# Altium PCB PCB1.PcbDoc (part 1 of 4)
Units mil, origin at the board's own origin, x right, y up, seen from the top; angles counter-clockwise.
Board outline 7874.02 x 4566.93 mil, 9 copper layers (HIGH_SPEED_TOP, GND PLANE1, LOW_SPEED, POWER_PLANE1, POWER_PLANE2, SIGNAL, Mid-Layer 11, GND_PLANE3, HIGH_SPEED_BOT), stack 76.99 mil thick; 510 components, 416 nets, 2438 pads, 24 vias.
Unrouted connection lines stored in the file: 1542.
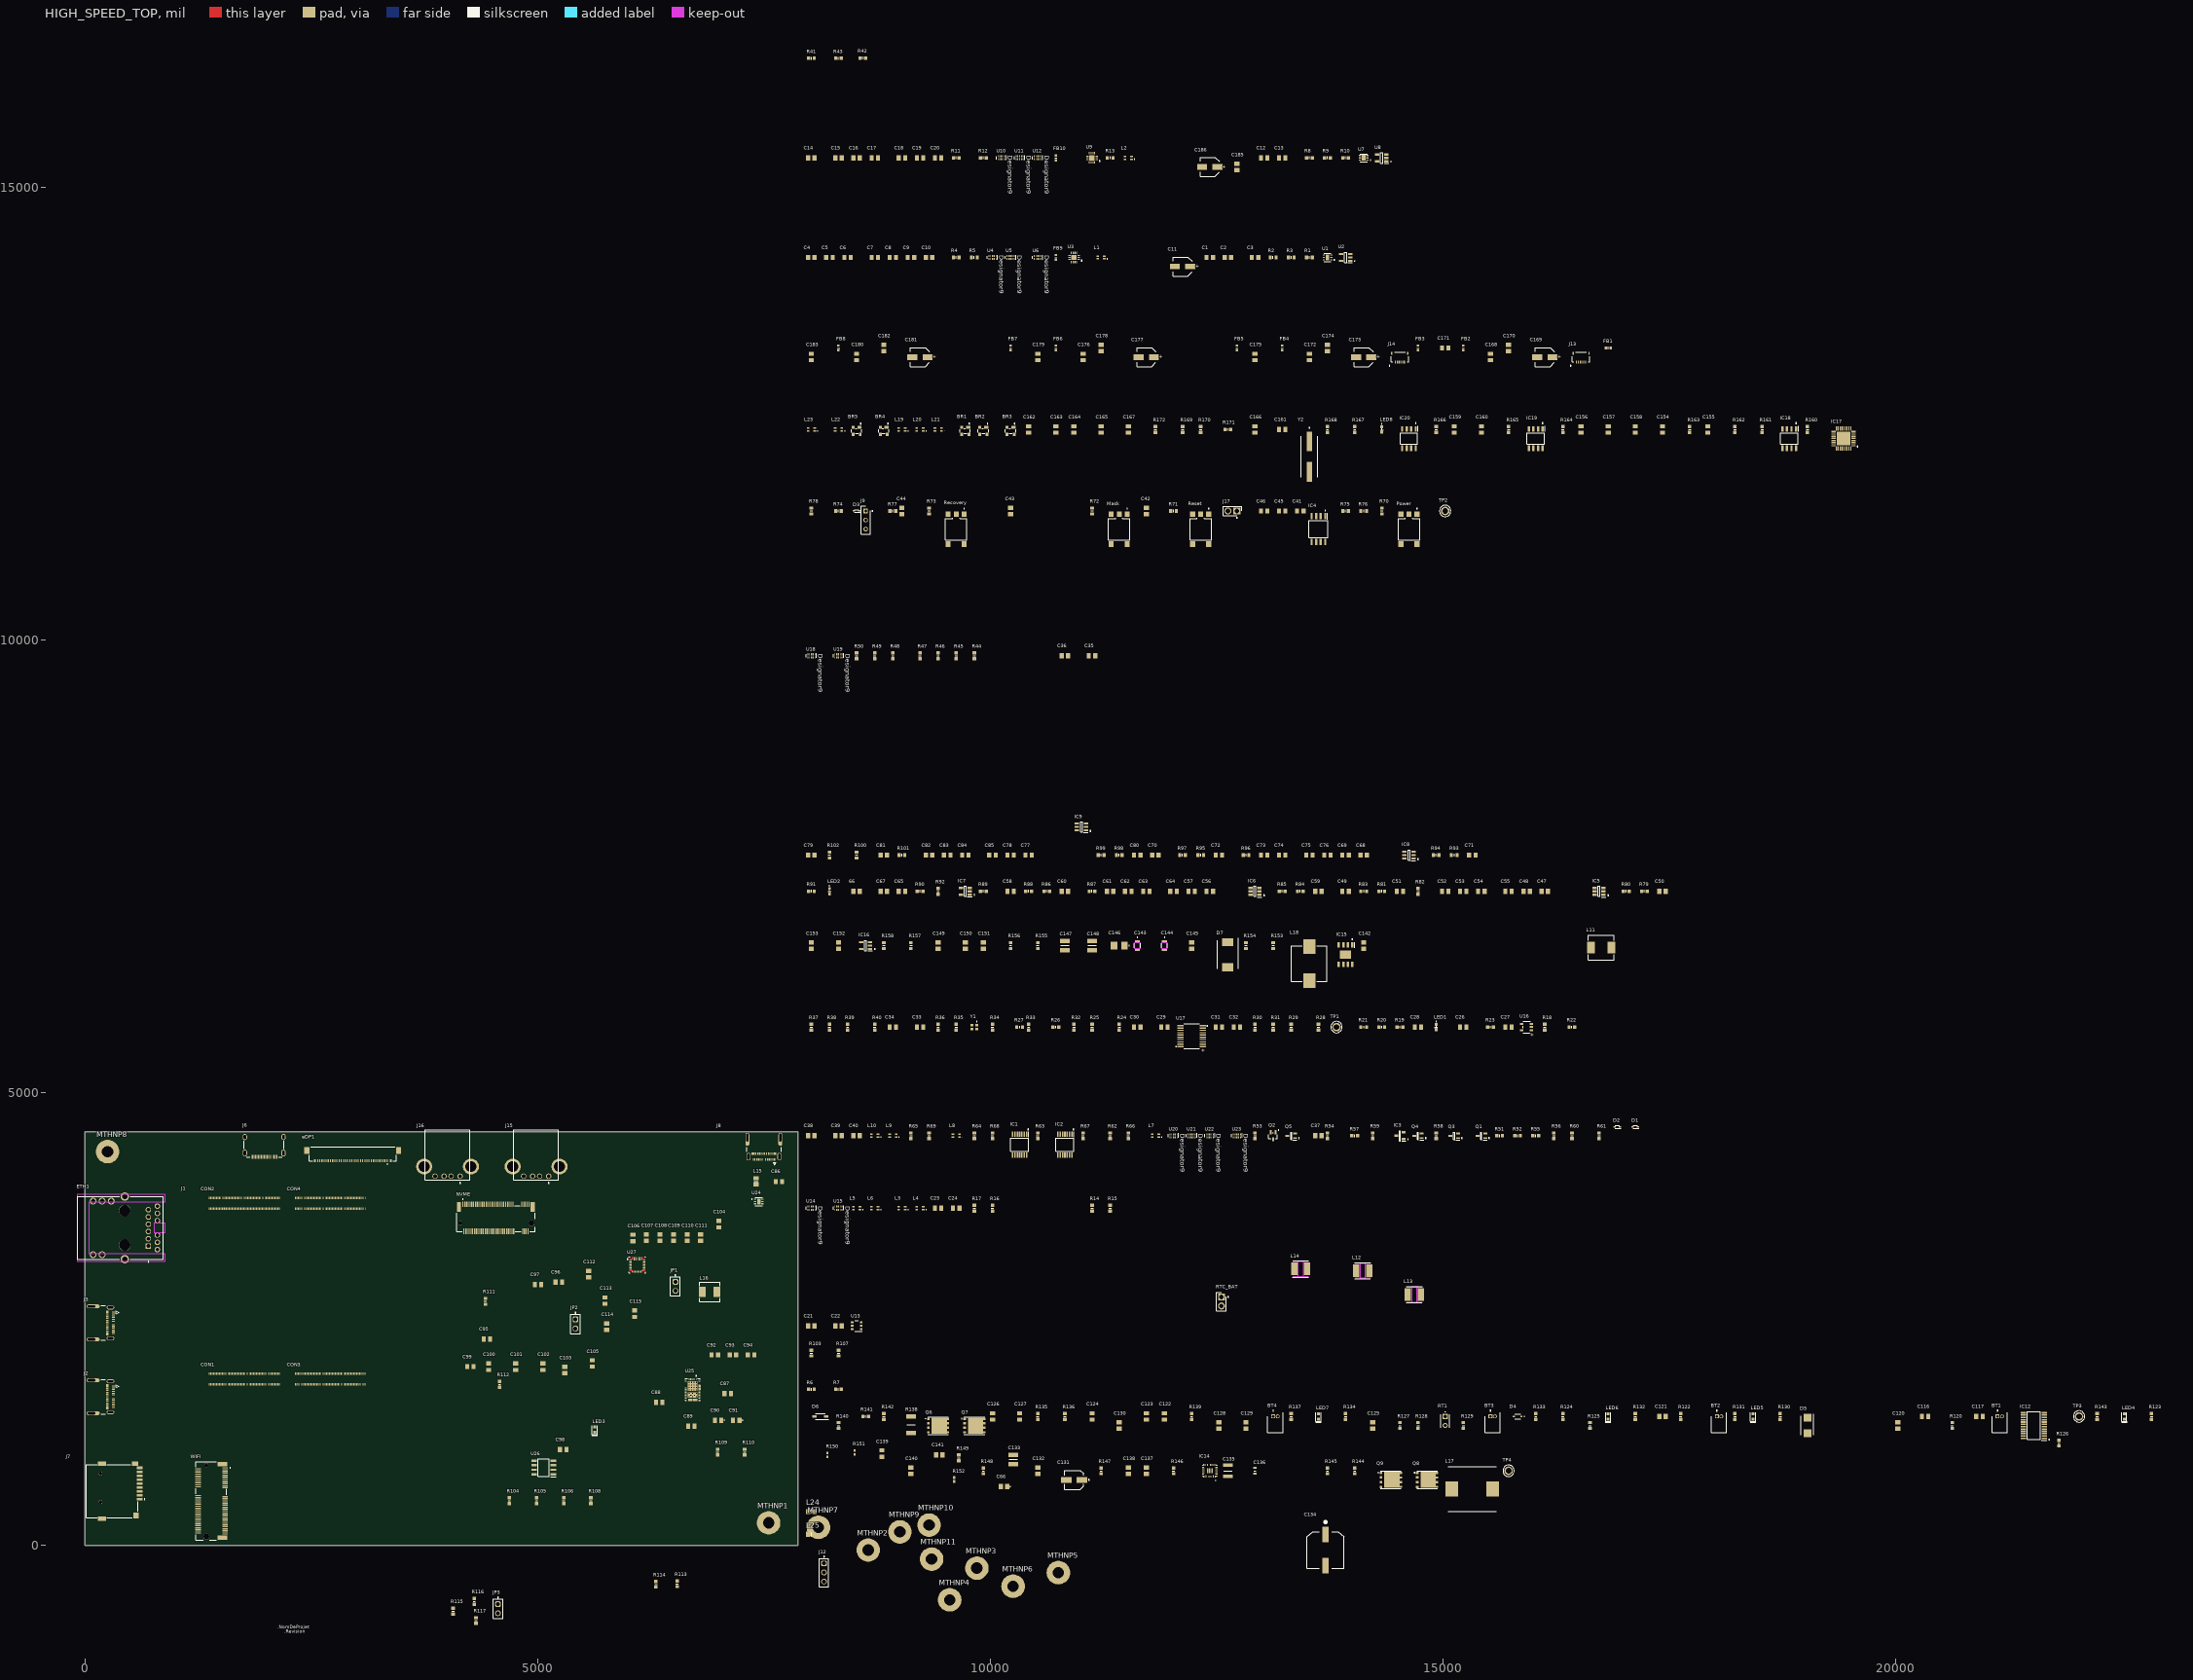
[diagram p0: HIGH_SPEED_TOP view]
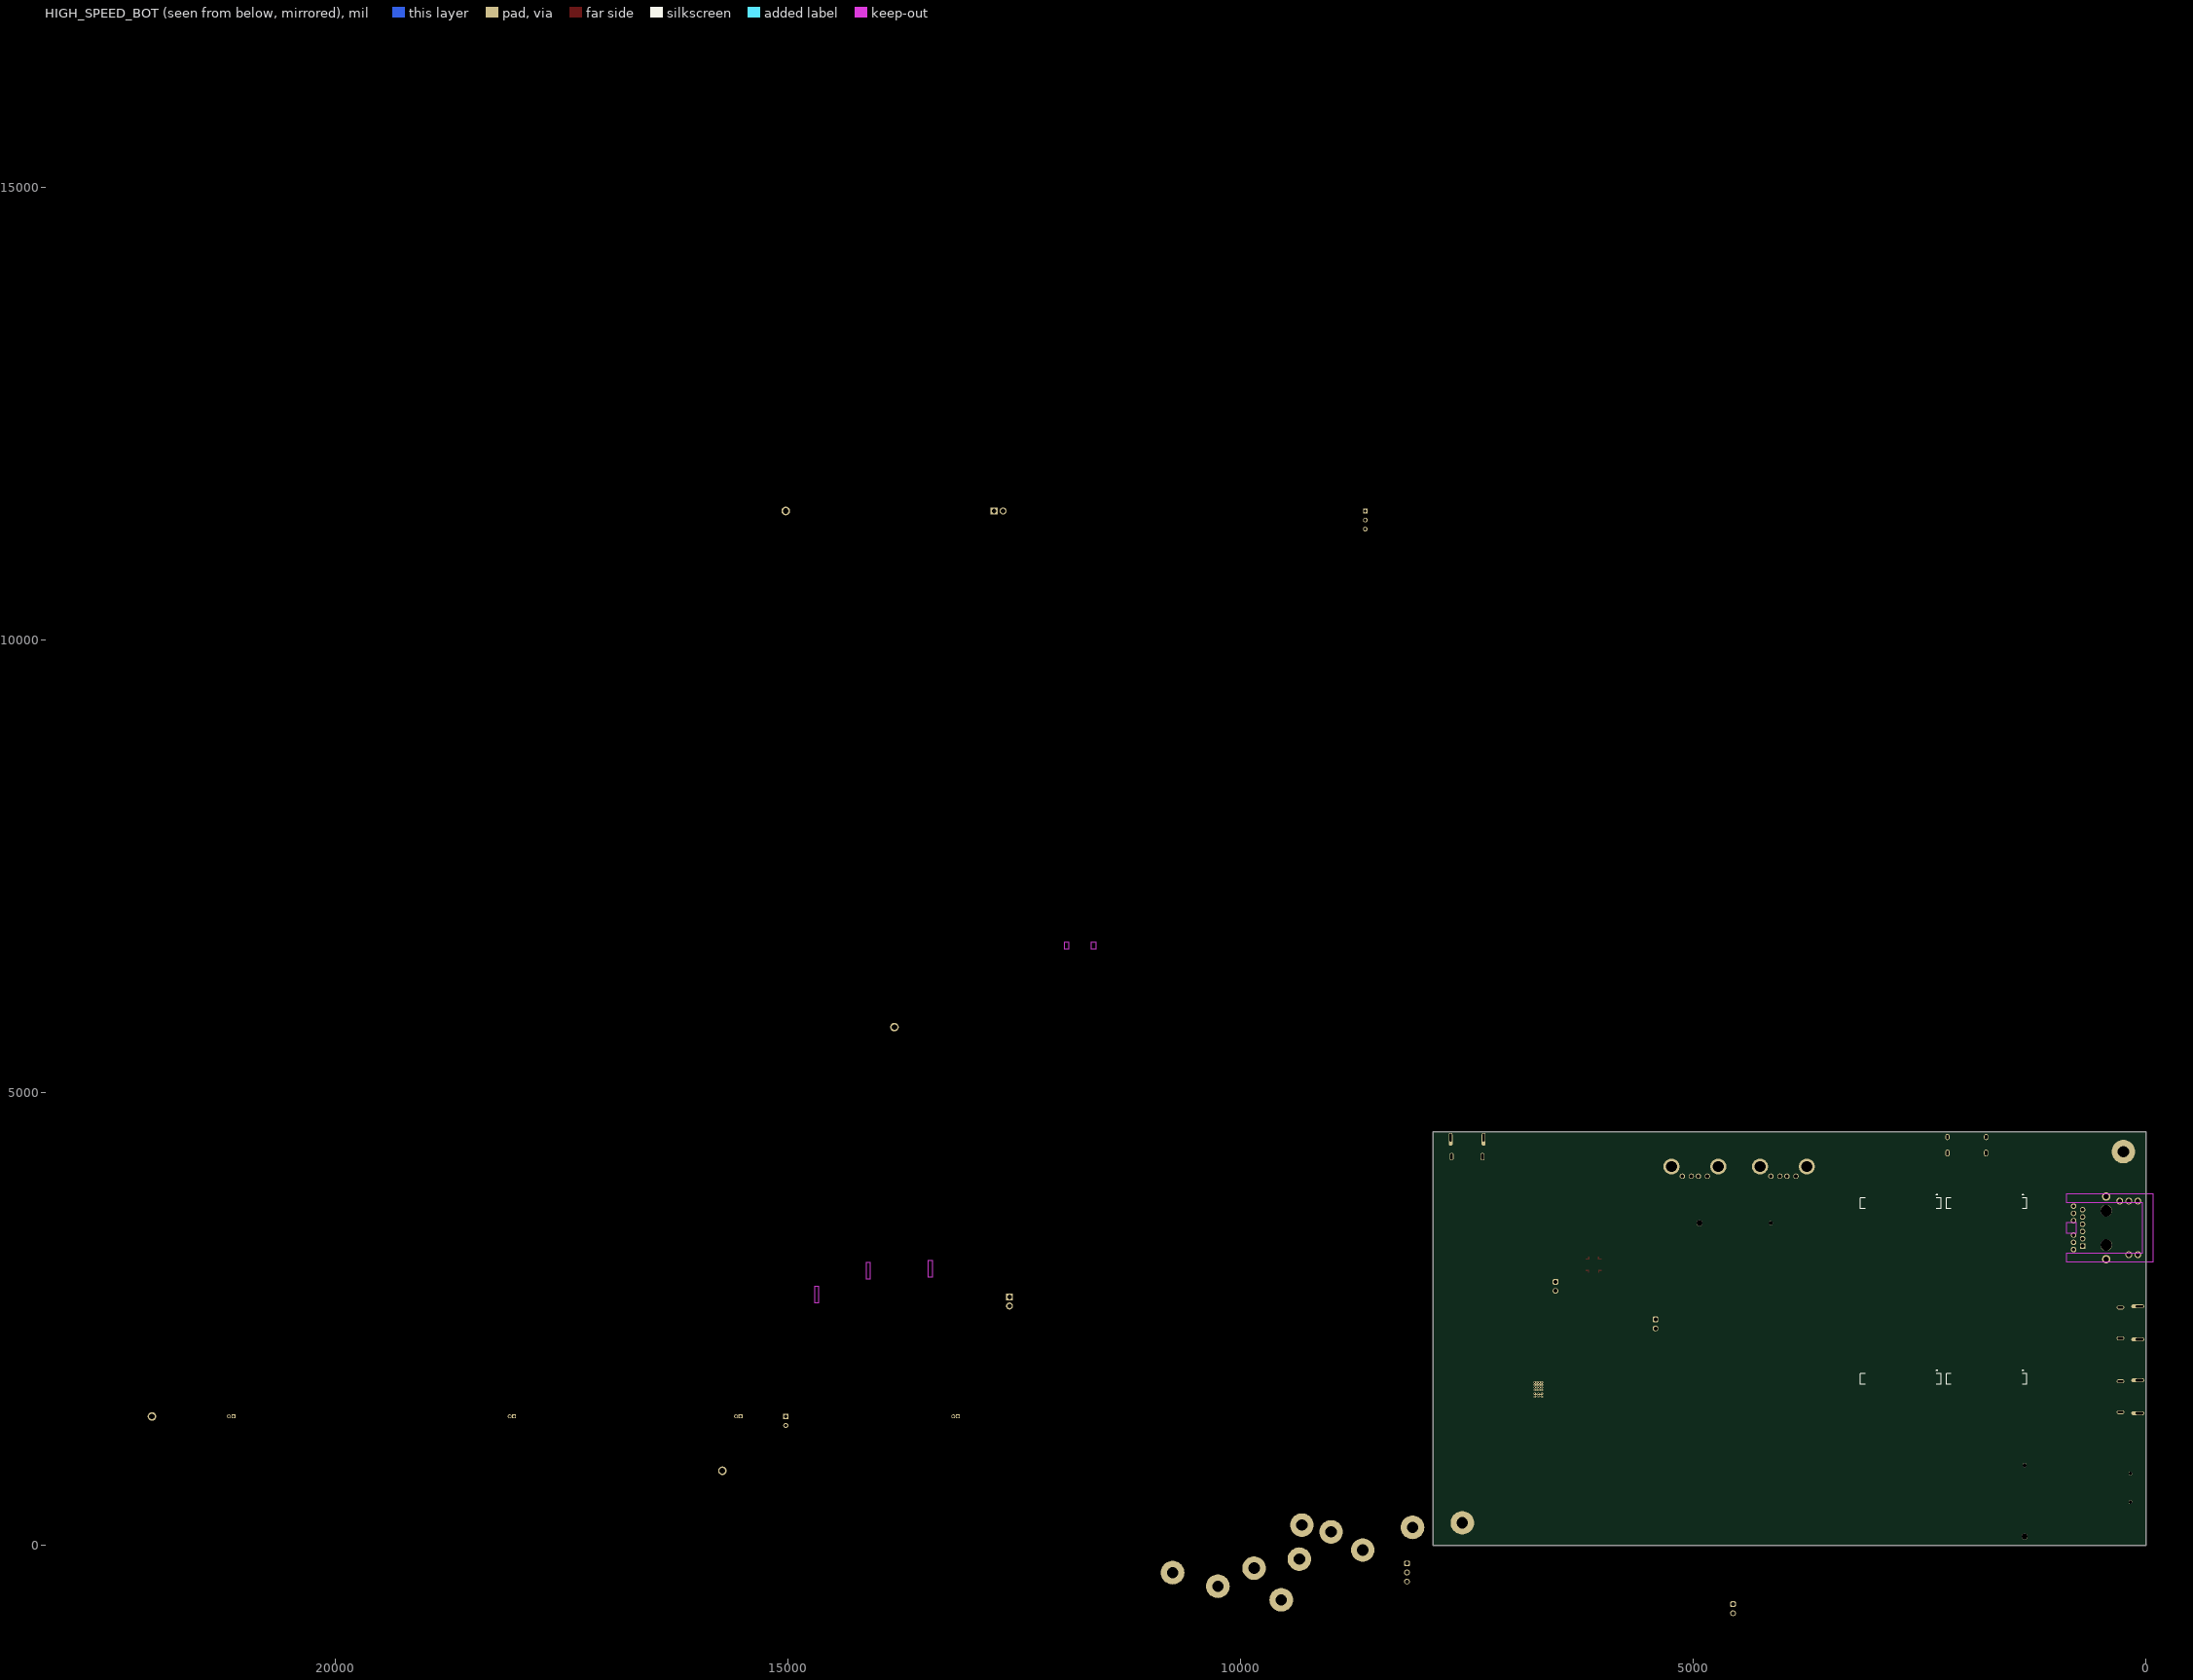
[diagram p1: HIGH_SPEED_BOT view, seen from below]
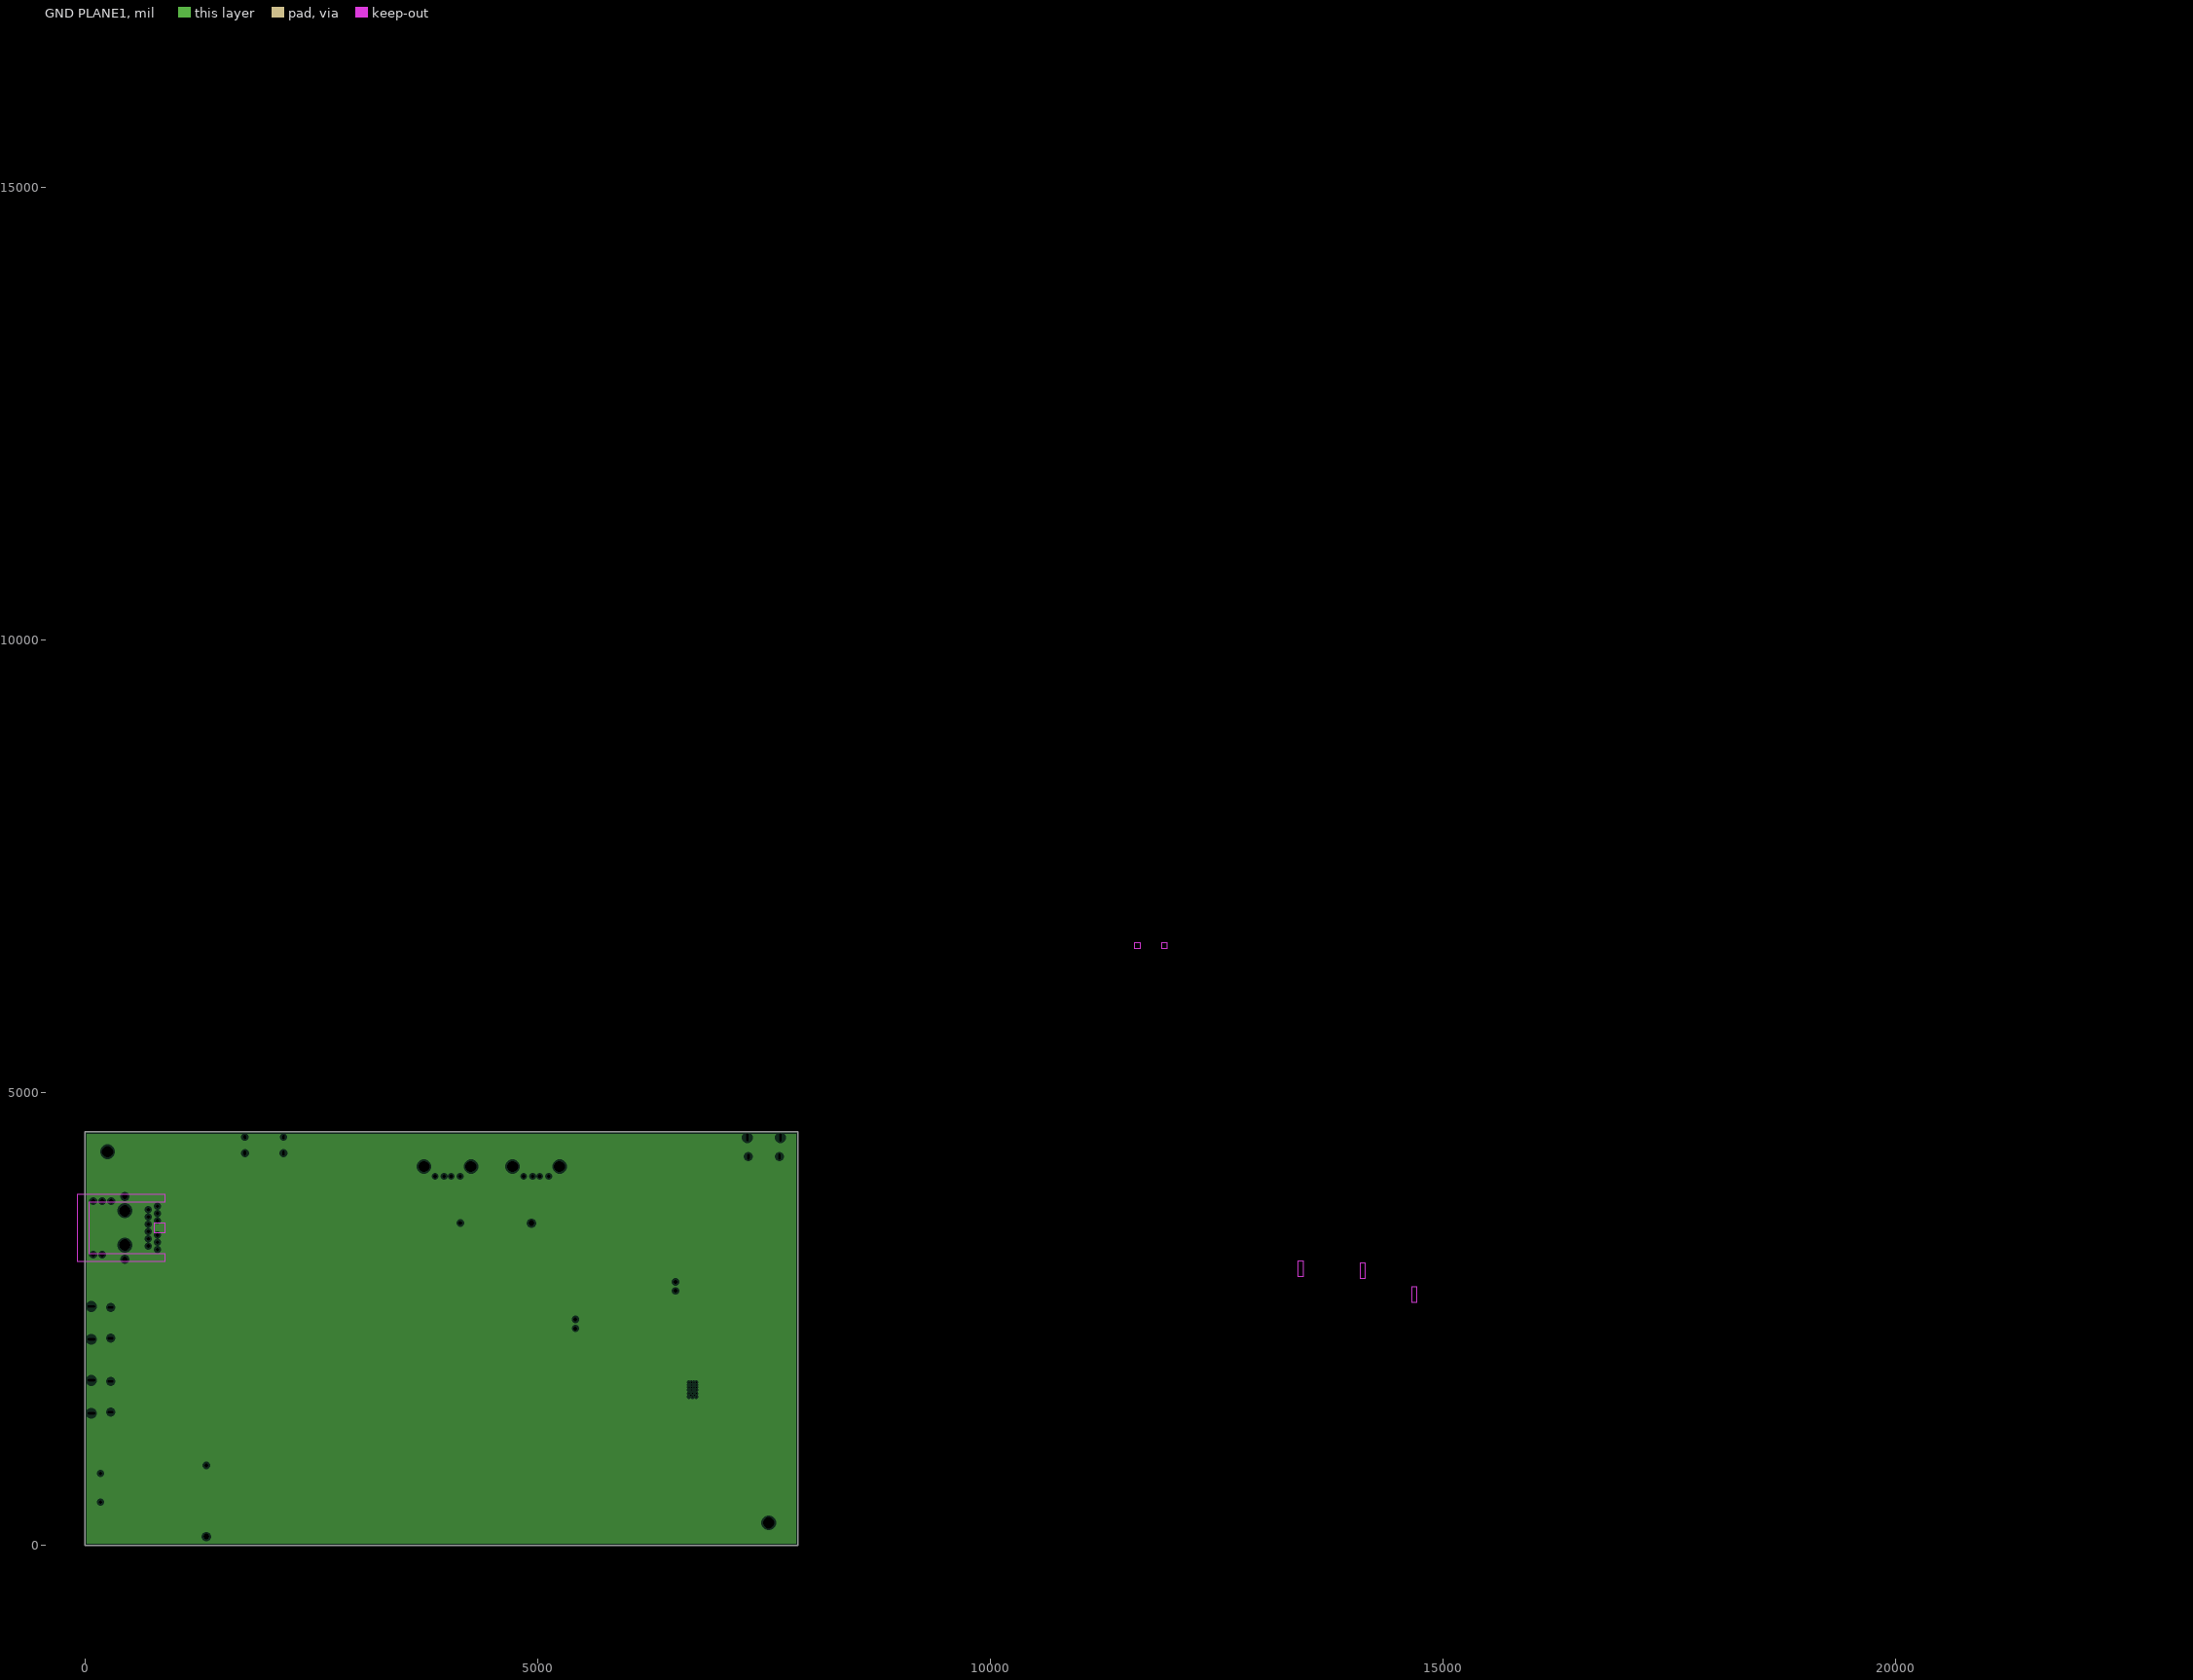
[diagram p2: GND PLANE1, clearances drawn from the general rule]